# KiCad board SA44.kicad_pcb
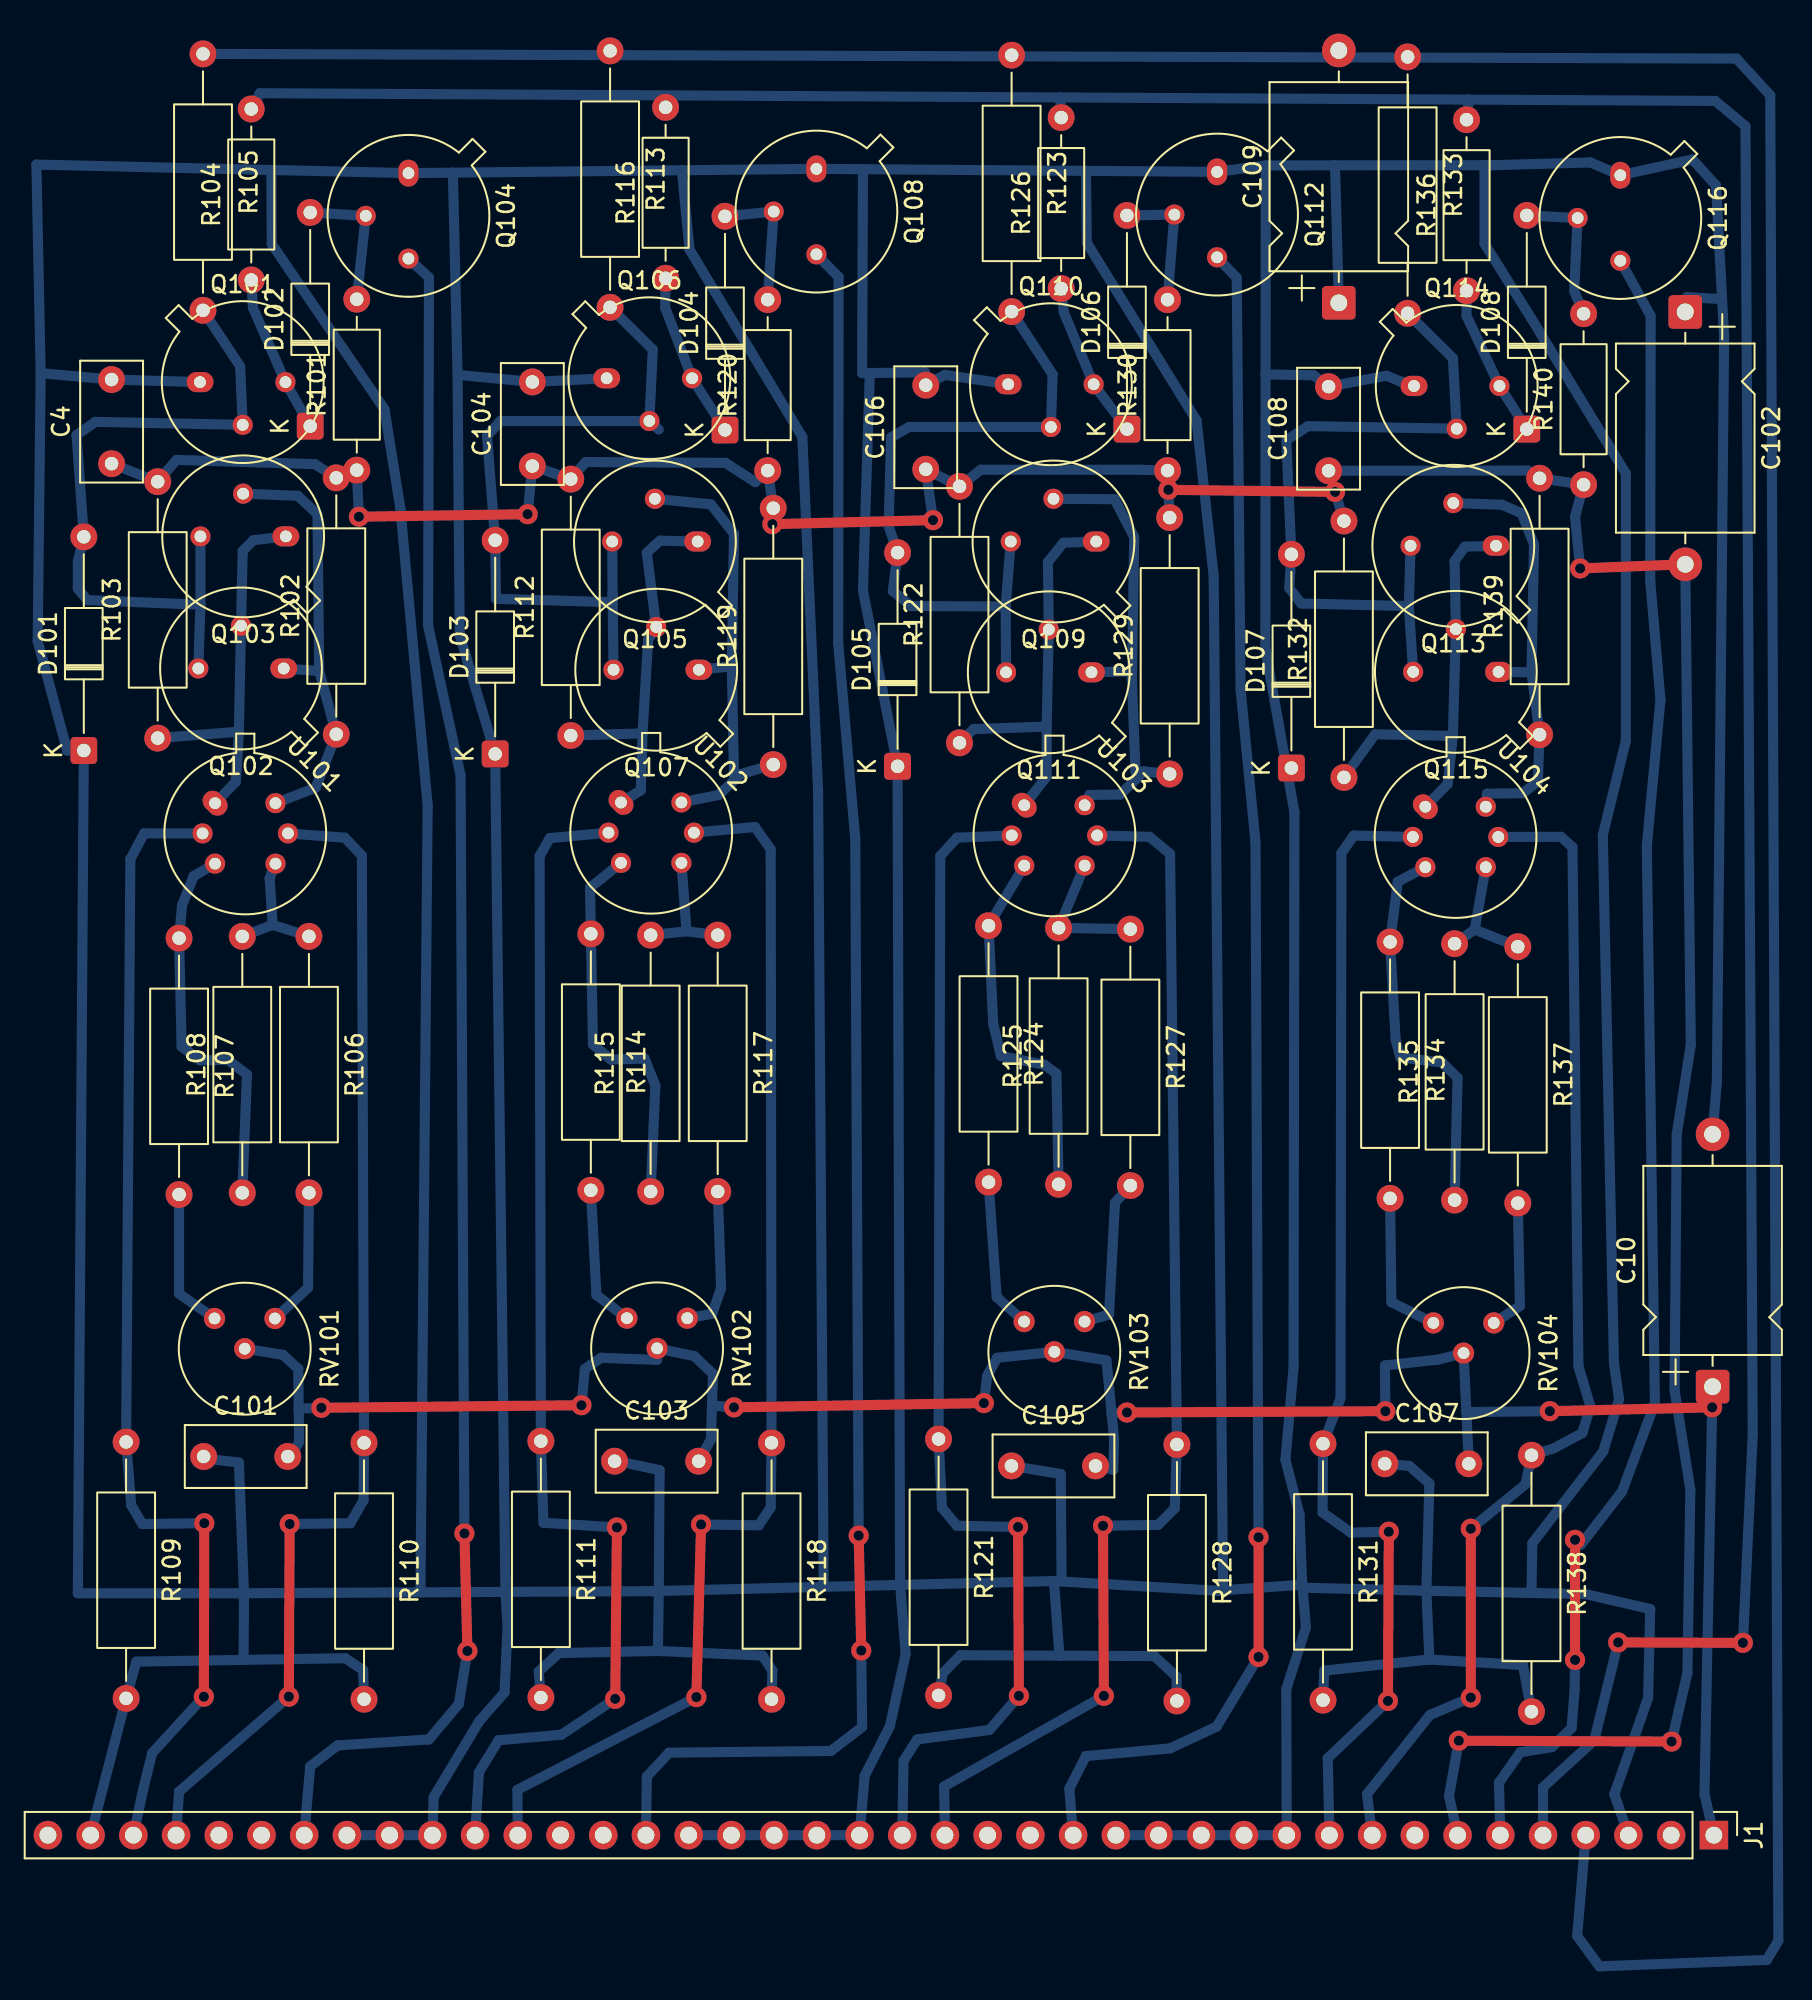
[diagram p0: board, top side]
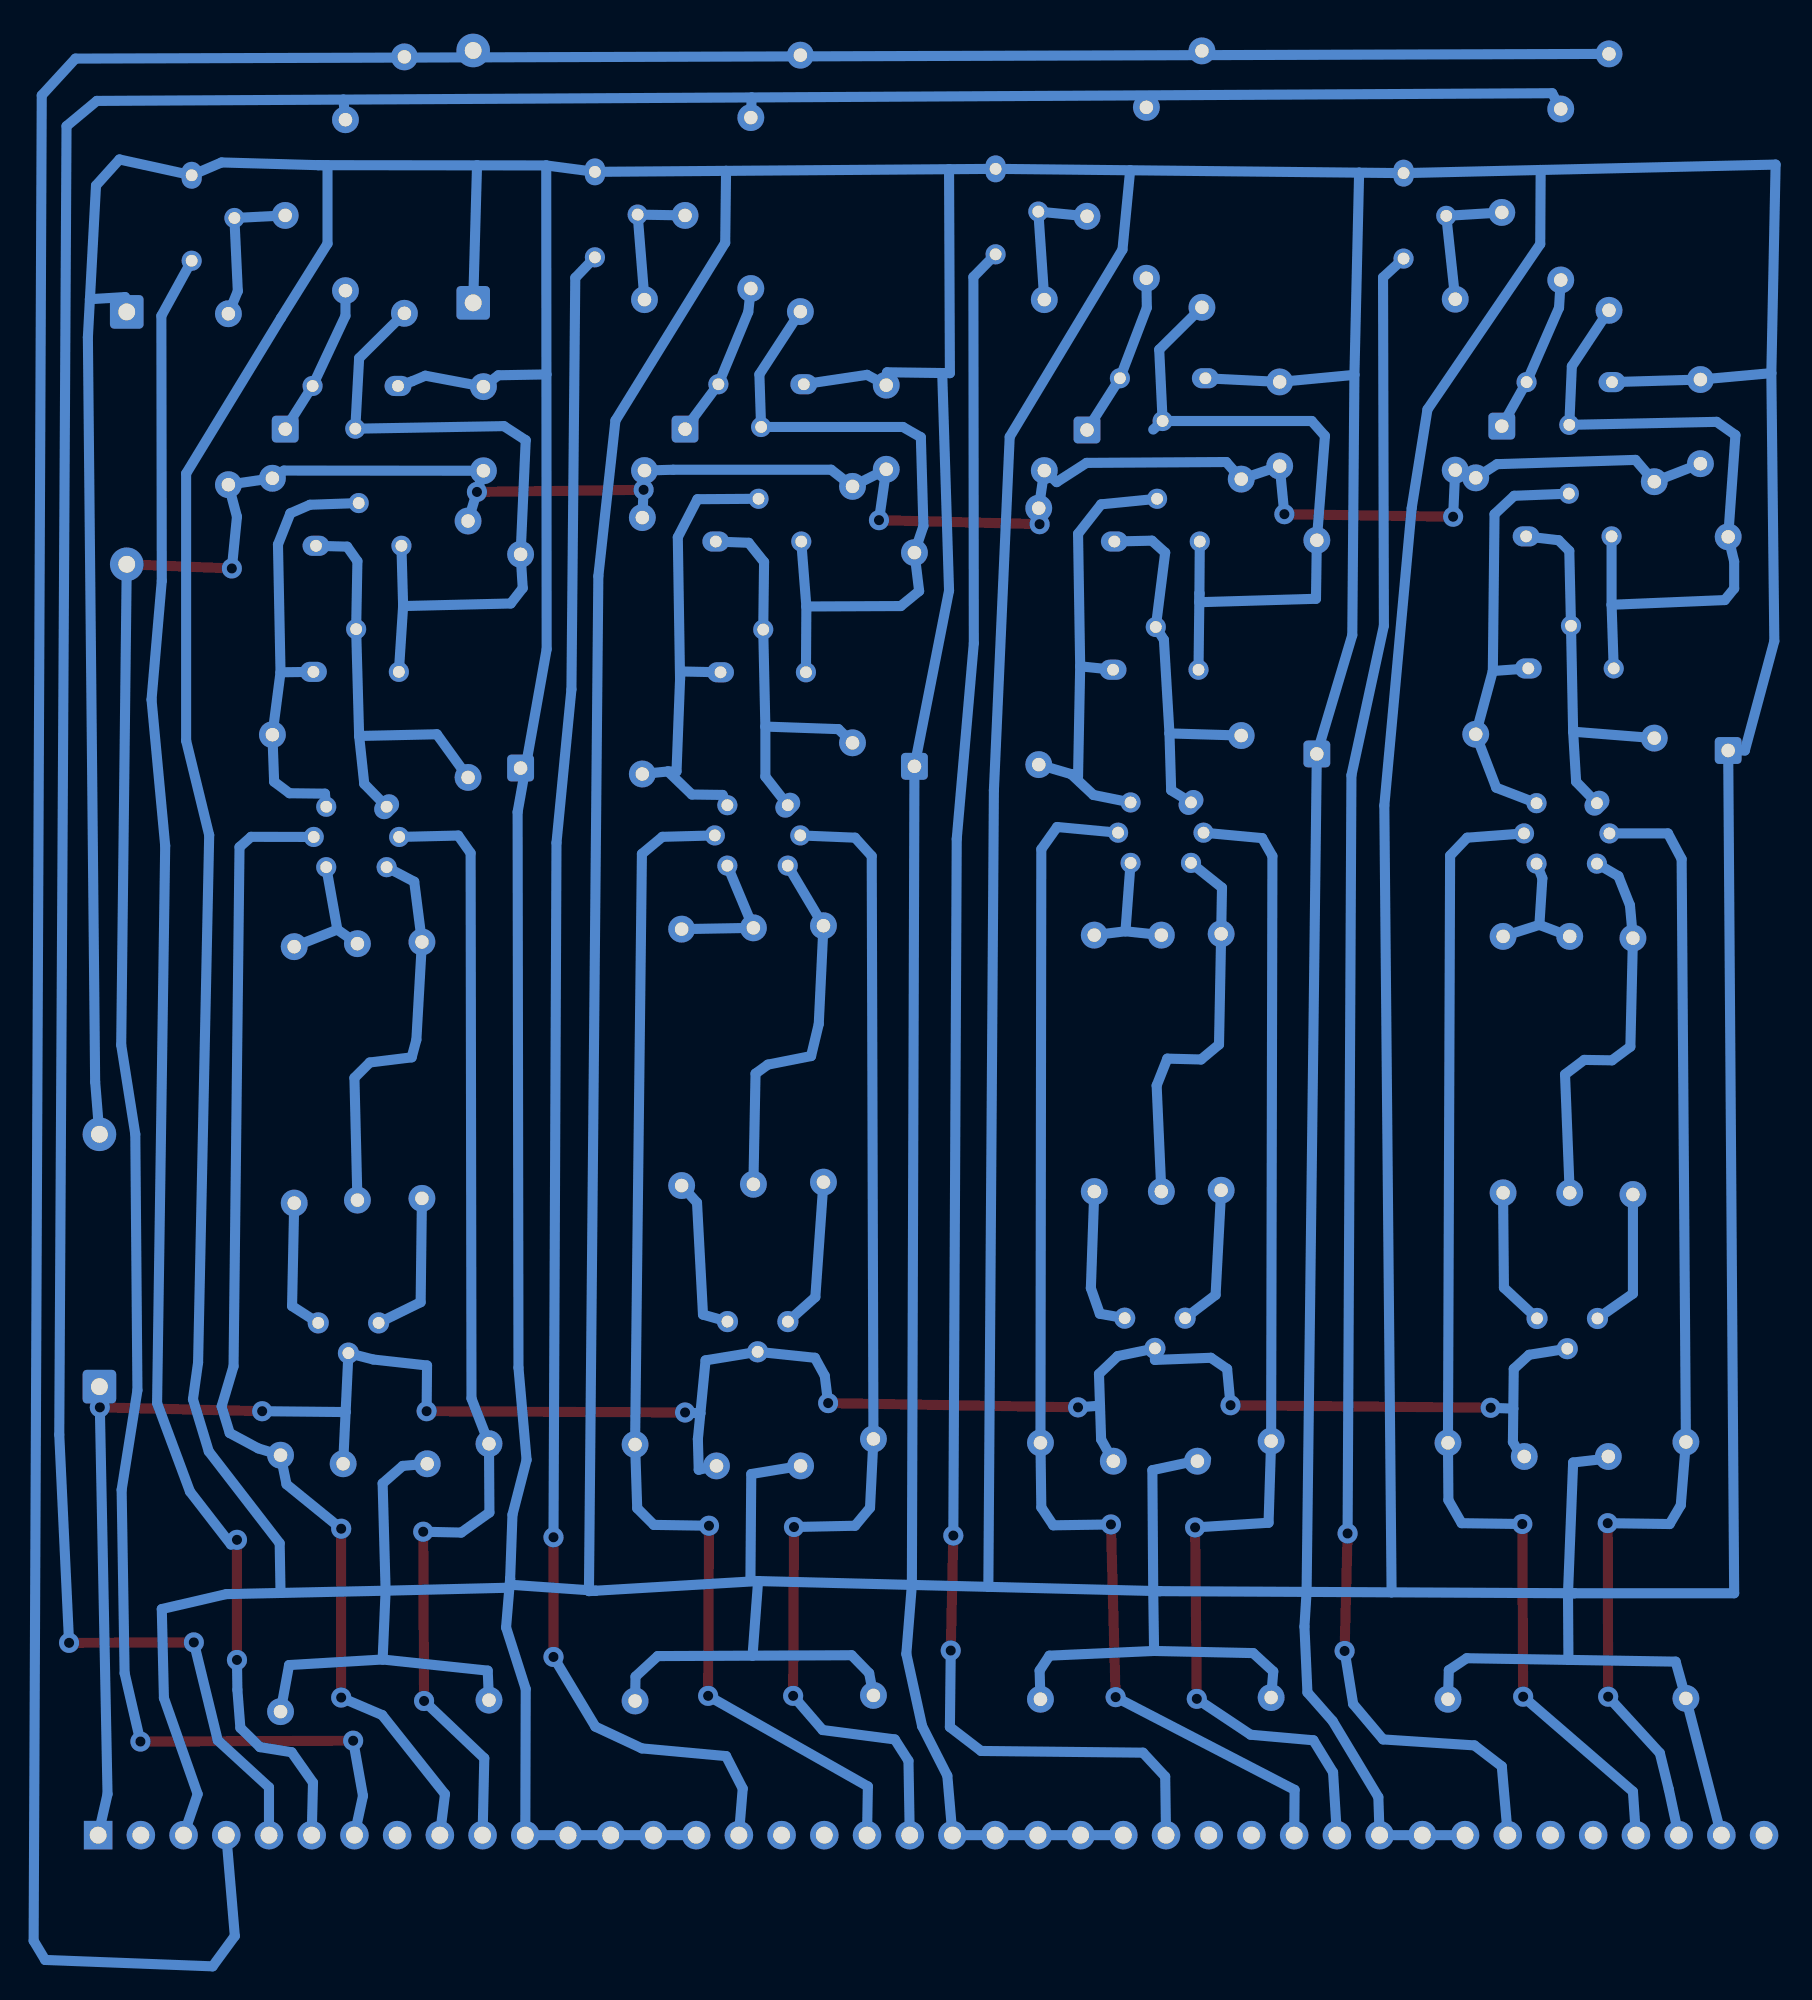
[diagram p1: board, bottom side, seen from below]

No outline. copper layers: Top, Bottom. Coordinates in mm from the lowest, leftmost part position.

## Placement (name value [footprint] x y rotation side)
C4  ?  [C_Rect_L7.0mm_W3.5mm_P5.00mm]  1.65 81.51 90 top
C10  10uF  [CP_Axial_L11.0mm_D8.0mm_P15.00mm_Horizontal]  96.85 26.66 90 top
C101  ?  [C_Rect_L7.0mm_W3.5mm_P5.00mm]  7.13 22.5 0 top
C102  10uF  [CP_Axial_L11.0mm_D8.0mm_P15.00mm_Horizontal]  95.22 90.53 270 top
C103  ?  [C_Rect_L7.0mm_W3.5mm_P5.00mm]  31.56 22.22 0 top
C104  ?  [C_Rect_L7.0mm_W3.5mm_P5.00mm]  26.67 81.37 90 top
C105  ?  [C_Rect_L7.0mm_W3.5mm_P5.00mm]  55.16 21.95 0 top
C106  ?  [C_Rect_L7.0mm_W3.5mm_P5.00mm]  50.06 81.18 90 top
C107  ?  [C_Rect_L7.0mm_W3.5mm_P5.00mm]  77.36 22.07 0 top
C108  ?  [C_Rect_L7.0mm_W3.5mm_P5.00mm]  74.02 81.09 90 top
C109  10uF  [CP_Axial_L11.0mm_D8.0mm_P15.00mm_Horizontal]  74.63 91.07 90 top
D101  ?  [D_DO-35_SOD27_P12.70mm_Horizontal]  0 64.47 90 top
D102  S1005  [D_DO-35_SOD27_P12.70mm_Horizontal]  13.46 83.74 90 top
D103  ?  [D_DO-35_SOD27_P12.70mm_Horizontal]  24.46 64.26 90 top
D104  S1005  [D_DO-35_SOD27_P12.70mm_Horizontal]  38.13 83.52 90 top
D105  ?  [D_DO-35_SOD27_P12.70mm_Horizontal]  48.39 63.53 90 top
D106  S1005  [D_DO-35_SOD27_P12.70mm_Horizontal]  62.03 83.57 90 top
D107  ?  [D_DO-35_SOD27_P12.70mm_Horizontal]  71.81 63.42 90 top
D108  S1005  [D_DO-35_SOD27_P12.70mm_Horizontal]  85.8 83.57 90 top
J1  Conn_01x40  [PinHeader_1x40_P2.54mm_Vertical]  96.93 0 270 top
Q101  ?  [TO-39-3]  6.91 86.36 0 top
Q102  ?  [TO-39-3]  11.89 69.34 180 top
Q103  ?  [TO-39-3]  12.01 77.19 180 top
Q104  ?  [TO-39-3]  19.3 98.78 270 top
Q105  ?  [TO-39-3]  36.5 76.89 180 top
Q106  ?  [TO-39-3]  31.09 86.59 0 top
Q107  ?  [TO-39-3]  36.58 69.27 180 top
Q108  ?  [TO-39-3]  43.56 99.03 270 top
Q109  ?  [TO-39-3]  60.2 76.89 180 top
Q110  ?  [TO-39-3]  54.97 86.23 0 top
Q111  ?  [TO-39-3]  59.92 69.11 180 top
Q112  ?  [TO-39-3]  67.39 98.86 270 top
Q113  ?  [TO-39-3]  83.97 76.63 180 top
Q114  ?  [TO-39-3]  79.1 86.13 0 top
Q115  ?  [TO-39-3]  84.12 69.14 180 top
Q116  ?  [TO-39-3]  91.36 98.65 270 top
R101  10K  [R_Axial_DIN0207_L6.3mm_D2.5mm_P10.16mm_Horizontal]  16.23 81.13 90 top
R102  681R  [R_Axial_DIN0309_L9.0mm_D3.2mm_P15.24mm_Horizontal]  15.01 65.43 90 top
R103  681R  [R_Axial_DIN0309_L9.0mm_D3.2mm_P15.24mm_Horizontal]  4.39 65.2 90 top
R104  3K  [R_Axial_DIN0207_L6.3mm_D2.5mm_P10.16mm_Horizontal]  9.96 92.43 90 top
R105  6.81K  [R_Axial_DIN0309_L9.0mm_D3.2mm_P15.24mm_Horizontal]  7.09 105.87 270 top
R106  2.1K  [R_Axial_DIN0309_L9.0mm_D3.2mm_P15.24mm_Horizontal]  13.39 53.42 270 top
R107  2.1K  [R_Axial_DIN0309_L9.0mm_D3.2mm_P15.24mm_Horizontal]  5.66 53.31 270 top
R108  33.2R  [R_Axial_DIN0309_L9.0mm_D3.2mm_P15.24mm_Horizontal]  9.42 38.18 90 top
R109  100R  [R_Axial_DIN0309_L9.0mm_D3.2mm_P15.24mm_Horizontal]  2.51 23.37 270 top
R110  100R  [R_Axial_DIN0309_L9.0mm_D3.2mm_P15.24mm_Horizontal]  16.66 23.32 270 top
R111  100R  [R_Axial_DIN0309_L9.0mm_D3.2mm_P15.24mm_Horizontal]  27.18 23.42 270 top
R112  681R  [R_Axial_DIN0309_L9.0mm_D3.2mm_P15.24mm_Horizontal]  28.96 65.35 90 top
R113  6.81K  [R_Axial_DIN0309_L9.0mm_D3.2mm_P15.24mm_Horizontal]  31.29 106.05 270 top
R114  2.1K  [R_Axial_DIN0309_L9.0mm_D3.2mm_P15.24mm_Horizontal]  30.15 53.57 270 top
R115  33.2R  [R_Axial_DIN0309_L9.0mm_D3.2mm_P15.24mm_Horizontal]  33.71 38.25 90 top
R116  3K  [R_Axial_DIN0207_L6.3mm_D2.5mm_P10.16mm_Horizontal]  34.59 92.53 90 top
R117  2.1K  [R_Axial_DIN0309_L9.0mm_D3.2mm_P15.24mm_Horizontal]  37.69 53.49 270 top
R118  100R  [R_Axial_DIN0309_L9.0mm_D3.2mm_P15.24mm_Horizontal]  40.89 23.32 270 top
R119  681R  [R_Axial_DIN0309_L9.0mm_D3.2mm_P15.24mm_Horizontal]  41 63.63 90 top
R120  10K  [R_Axial_DIN0207_L6.3mm_D2.5mm_P10.16mm_Horizontal]  40.67 81.1 90 top
R121  100R  [R_Axial_DIN0309_L9.0mm_D3.2mm_P15.24mm_Horizontal]  50.83 23.55 270 top
R122  681R  [R_Axial_DIN0309_L9.0mm_D3.2mm_P15.24mm_Horizontal]  52.07 64.92 90 top
R123  6.81K  [R_Axial_DIN0309_L9.0mm_D3.2mm_P15.24mm_Horizontal]  55.17 105.79 270 top
R124  2.1K  [R_Axial_DIN0309_L9.0mm_D3.2mm_P15.24mm_Horizontal]  53.8 54.05 270 top
R125  33.2R  [R_Axial_DIN0309_L9.0mm_D3.2mm_P15.24mm_Horizontal]  57.96 38.68 90 top
R126  3K  [R_Axial_DIN0207_L6.3mm_D2.5mm_P10.16mm_Horizontal]  58.12 91.92 90 top
R127  2.1K  [R_Axial_DIN0309_L9.0mm_D3.2mm_P15.24mm_Horizontal]  62.23 53.85 270 top
R128  100R  [R_Axial_DIN0309_L9.0mm_D3.2mm_P15.24mm_Horizontal]  65 23.22 270 top
R129  681R  [R_Axial_DIN0309_L9.0mm_D3.2mm_P15.24mm_Horizontal]  64.57 63.07 90 top
R130  10K  [R_Axial_DIN0207_L6.3mm_D2.5mm_P10.16mm_Horizontal]  64.44 81.1 90 top
R131  100R  [R_Axial_DIN0309_L9.0mm_D3.2mm_P15.24mm_Horizontal]  73.69 23.27 270 top
R132  681R  [R_Axial_DIN0309_L9.0mm_D3.2mm_P15.24mm_Horizontal]  74.93 62.86 90 top
R133  6.81K  [R_Axial_DIN0309_L9.0mm_D3.2mm_P15.24mm_Horizontal]  78.71 105.69 270 top
R134  2.1K  [R_Axial_DIN0309_L9.0mm_D3.2mm_P15.24mm_Horizontal]  77.67 53.09 270 top
R135  33.2R  [R_Axial_DIN0309_L9.0mm_D3.2mm_P15.24mm_Horizontal]  81.51 37.74 90 top
R136  3K  [R_Axial_DIN0207_L6.3mm_D2.5mm_P10.16mm_Horizontal]  82.22 91.8 90 top
R137  2.1K  [R_Axial_DIN0309_L9.0mm_D3.2mm_P15.24mm_Horizontal]  85.27 52.81 270 top
R138  100R  [R_Axial_DIN0309_L9.0mm_D3.2mm_P15.24mm_Horizontal]  86.08 22.58 270 top
R139  681R  [R_Axial_DIN0309_L9.0mm_D3.2mm_P15.24mm_Horizontal]  86.56 65.41 90 top
R140  10K  [R_Axial_DIN0207_L6.3mm_D2.5mm_P10.16mm_Horizontal]  89.18 80.26 90 top
RV101  500R  [Potentiometer_Bourns_3339H_Vertical]  7.77 30.71 270 top
RV102  500R  [Potentiometer_Bourns_3339H_Vertical]  32.29 30.73 270 top
RV103  500R  [Potentiometer_Bourns_3339H_Vertical]  55.91 30.52 270 top
RV104  500R  [Potentiometer_Bourns_3339H_Vertical]  80.25 30.45 270 top
U101  ~  [TO-39-6]  7.81 61.33 315 top
U102  ~  [TO-39-6]  31.94 61.38 315 top
U103  ~  [TO-39-6]  55.92 61.21 315 top
U104  ~  [TO-39-6]  79.77 61.12 315 top

## Library data of the parts
C4 C101 C103-C108 = -: Description: Unpolarized capacitor; ki_fp_filters: C_*
C10 C102 C109 = -: Description: Polarized capacitor; ki_fp_filters: CP_*
D101-D108 = -: Datasheet: https://assets.nexperia.com/documents/data-sheet/1N4148_1N4448.pdf; Description: 100V 0.15A High-speed standard diode, DO-35; Sim.Device: D; Sim.Pins: 1=K 2=A; ki_fp_filters: D*DO?35*
J1 = -: Description: Generic connector, single row, 01x40, script generated (kicad-library-utils/schlib/autogen/connector/); ki_fp_filters: Connector*:*_1x??_*
Q101-Q116 = -: Description: PNP transistor, emitter/base/collector
R101-R140 = -: Description: Resistor; ki_fp_filters: R_*
RV101-RV104 = -: Description: Potentiometer, US symbol; ki_fp_filters: Potentiometer*

## Footprints (pads in the part's own frame, mm; a bottom-side part is the same pattern mirrored in y, then rotated)
C_Rect_L7.0mm_W3.5mm_P5.00mm
  round 1.6 hole 0.8: 1(0,0) 2(5,0)
CP_Axial_L11.0mm_D8.0mm_P15.00mm_Horizontal
  rrect 2x2 hole 1: 1(0,0)
  round 2 hole 1: 2(15,0)
D_DO-35_SOD27_P12.70mm_Horizontal
  rrect 1.6x1.6 hole 0.8: 1(0,0)
  round 1.6 hole 0.8: 2(12.7,0)
PinHeader_1x40_P2.54mm_Vertical
  rect 1.7x1.7 hole 1: 1(0,0)
  round 1.7 hole 1: 2(0,-2.54) 3(0,-5.08) 4(0,-7.62) 5(0,-10.16) 6(0,-12.7) 7(0,-15.24) 8(0,-17.78) 9(0,-20.32) 10(0,-22.86) 11(0,-25.4) 12(0,-27.94) 13(0,-30.48) 14(0,-33.02) 15(0,-35.56) 16(0,-38.1) 17(0,-40.64) 18(0,-43.18) 19(0,-45.72) 20(0,-48.26) 21(0,-50.8) 22(0,-53.34) 23(0,-55.88) 24(0,-58.42) 25(0,-60.96) 26(0,-63.5) 27(0,-66.04) 28(0,-68.58) 29(0,-71.12) 30(0,-73.66) 31(0,-76.2) 32(0,-78.74) 33(0,-81.28) 34(0,-83.82) 35(0,-86.36) 36(0,-88.9) 37(0,-91.44) 38(0,-93.98) 39(0,-96.52) 40(0,-99.06)
Potentiometer_Bourns_3339H_Vertical
  round 1.26 hole 0.7: 1(0,0) 2(1.796,1.796) 3(0,3.592)
R_Axial_DIN0207_L6.3mm_D2.5mm_P10.16mm_Horizontal
  round 1.6 hole 0.8: 1(0,0) 2(10.16,0)
R_Axial_DIN0309_L9.0mm_D3.2mm_P15.24mm_Horizontal
  round 1.6 hole 0.8: 1(0,0) 2(15.24,0)
TO-39-3
  oval 1.6x1.2 hole 0.7: 1(0,0)
  round 1.2 hole 0.7: 2(2.54,-2.54) 3(5.08,0)
TO-39-6
  oval 1.6x1.2 hole 0.7: 1(0,0)
  round 1.2 hole 0.7: 2(0.744,-1.796) 3(2.54,-2.54) 4(5.08,0) 5(4.336,1.796) 6(2.54,2.54)

## Nets
GND: C4.2 C10.2 C101.1 C102.1 C103.1 C104.2 C105.1 C106.2 C107.1 C108.2 C109.1 D101.1 D103.1 D105.1 D107.1 J1.3 J1.11 J1.12 J1.13 J1.14 J1.15 J1.21 J1.22 J1.23 J1.24 J1.25 J1.31 J1.32 J1.33 J1.39 Q101.1 Q104.1 Q106.1 Q108.1 Q110.1 Q112.1 Q114.1 Q116.1 R109.2 R110.2 R111.2 R118.2 R121.2 R128.2 R131.2 R138.2
P1: C10.1 C101.2 C103.2 C105.2 C107.2 J1.1 RV101.2 RV102.2 RV103.2 RV104.2
P4: C109.2 J1.4 R105.1 R113.1 R123.1 R133.1
P5: J1.5 R104.2 R116.2 R126.2 R136.2
P6: J1.6 Q116.3
P7: C4.1 C102.2 C104.1 C106.1 C108.1 J1.7 R101.1 R102.2 R103.2 R112.2 R119.2 R120.1 R122.2 R129.2 R130.1 R132.2 R139.2 R140.1
P9: J1.9 R138.1 U104.5
P10: J1.10 R131.1 U104.2
P16: J1.16 Q112.3
P19: J1.19 R128.1 U103.5
P20: J1.20 R121.1 U103.2
P26: J1.26 Q108.3
P29: J1.29 R118.1 U102.5
P30: J1.30 R111.1 U102.2
P34: J1.34 Q104.3
P37: J1.37 R110.1 U101.5
P38: J1.38 R109.1 U101.2
Net-(D101-A): D101.2 Q101.2 Q102.3 Q103.3 R105.2
Net-(D102-A): D102.2 Q104.2 R101.2
Net-(D102-K): D102.1 Q101.3 R104.1
Net-(D103-A): D103.2 Q105.3 Q106.2 Q107.3 R113.2
Net-(D104-A): D104.2 Q108.2 R120.2
Net-(D104-K): D104.1 Q106.3 R116.1
Net-(D105-A): D105.2 Q109.3 Q110.2 Q111.3 R123.2
Net-(D106-A): D106.2 Q112.2 R130.2
Net-(D106-K): D106.1 Q110.3 R126.1
Net-(D107-A): D107.2 Q113.3 Q114.2 Q115.3 R133.2
Net-(D108-A): D108.2 Q116.2 R140.2
Net-(D108-K): D108.1 Q114.3 R136.1
Net-(Q102-B): Q102.2 Q103.1 R103.1 U101.1
Net-(Q102-E): Q102.1 Q103.2 R102.1 U101.6
Net-(Q105-B): Q105.2 Q107.1 R119.1 U102.6
Net-(Q105-E): Q105.1 Q107.2 R112.1 U102.1
Net-(Q109-B): Q109.2 Q111.1 R129.1 U103.6
Net-(Q109-E): Q109.1 Q111.2 R122.1 U103.1
Net-(Q113-B): Q113.2 Q115.1 R139.1 U104.6
Net-(Q113-E): Q113.1 Q115.2 R132.1 U104.1
Net-(R106-Pad1): R106.1 R108.2 U101.4
Net-(R106-Pad2): R106.2 RV101.3
Net-(R107-Pad1): R107.1 R108.1 U101.3
Net-(R107-Pad2): R107.2 RV101.1
Net-(R114-Pad1): R114.1 R115.1 U102.3
Net-(R114-Pad2): R114.2 RV102.1
Net-(R115-Pad2): R115.2 R117.1 U102.4
Net-(R117-Pad2): R117.2 RV102.3
Net-(R124-Pad1): R124.1 R125.1 U103.3
Net-(R124-Pad2): R124.2 RV103.1
Net-(R125-Pad2): R125.2 R127.1 U103.4
Net-(R127-Pad2): R127.2 RV103.3
Net-(R134-Pad1): R134.1 R135.1 U104.3
Net-(R134-Pad2): R134.2 RV104.1
Net-(R135-Pad2): R135.2 R137.1 U104.4
Net-(R137-Pad2): R137.2 RV104.3

Pads without a net: J1 2 8 17 18 27 28 35 36 40

## Via types
v1: diameter 1.2, hole 0.6, Top to Bottom, 43 vias

## Routing (per net, layer and track width the routed paths; a pad name or vN(x,y) marks a point on that pad's centre or on a via; arc(x,y) is an arc through that point)
GND: length 1208.6
  Bottom w0.6: 70.28,99.24 74.4,99.24 ; 70.28,99.24 Q112.1 59.59,98.91 ; 70.28,99.24 70.27,86.82 ; 74.4,99.24 C109.1 ; 74.4,99.24 83.85,99.25 ; R110.2 16.61,9.8 15.54,10.52 9.5,10.42 ; 72.47,14.71 72.67,12.34 71.5,8.69 J1.11 J1.15 ; 72.47,14.71 72.43,15.24 ; 72.47,14.71 79.83,14.53 ; 86.08,14.39 89.31,14.33 93.14,13.44 93.01,8.15 91.01,2.44 J1.3 ; 86.08,14.39 79.83,14.53 ; 86.08,14.39 86.13,17.35 90.35,22.81 91.29,25.91 90.98,28.09 90.32,59.44 91.69,65.05 91.69,80.92 86.06,90.17 83.29,94.59 83.29,99.24 83.85,99.25 ; C102.1 95.33,91.41 97.42,91.29 ; 33.78,14.5 34.19,14.5 ; 33.78,14.5 43.99,14.76 ; 33.78,14.5 25.07,14.46 ; 34.19,14.5 34.24,21.69 31.04,22.38 ; 34.19,14.5 34.14,10.95 ; 9.52,14.38 9.22,22.15 7.23,22.38 ; 9.52,14.38 9.14,14.38 ; 9.52,14.38 9.5,10.42 ; 57.68,15.1 58.01,10.67 ; 57.68,15.1 48.54,14.87 ; 57.68,15.1 67.34,14.53 ; 57.68,15.1 58.14,15.11 58.09,21.46 C105.1 ; 58.01,10.67 63.65,10.64 64.97,9.42 R128.2 ; 58.01,10.67 52.12,10.69 51.08,9.63 R121.2 ; 43.99,14.76 43.66,62.1 42.72,83.11 36.02,94.23 35.56,98.95 ; 43.99,14.76 48.54,14.87 ; 59.59,98.91 46.33,99.01 ; 59.59,98.91 59.64,94.64 66.17,84.07 67.18,74.83 67.74,14.5 67.34,14.53 ; R118.2 40.94,9.78 40.36,10.67 34.14,10.95 ; 48.54,14.87 48.87,10.77 47.93,6.48 46.43,3.53 J1.21 J1.25 ; 48.54,14.87 D105.1 46.33,73.96 46.74,86.9 ; C10.2 97.1,44.78 97.54,89.03 97.42,91.29 ; 11.15,98.97 Q104.1 21.95,98.81 ; 11.15,98.97 -2.82,99.29 -2.57,86.89 ; 11.15,98.97 11.18,94.56 17.88,84.73 18.82,78.87 20.45,61.19 20.02,14.43 ; -2.57,86.89 C4.2 Q101.1 ; -2.57,86.89 -2.74,70.97 -0.99,64.47 D101.1 -0.36,14.38 9.14,14.38 ; 46.33,99.01 Q108.1 35.56,98.95 ; 46.33,99.01 46.28,86.89 46.74,86.9 ; 22.23,86.79 21.95,98.81 ; 22.23,86.79 C104.2 Q106.1 ; 22.23,86.79 22.35,71.32 D103.1 25.07,14.46 ; 21.95,98.81 35.56,98.95 ; 20.02,14.43 25.07,14.46 ; 20.02,14.43 9.14,14.38 ; 25.07,14.46 25.2,12.4 25.02,8.48 23.52,6.78 20.8,2.26 J1.31 J1.32 J1.33 ; 46.74,86.9 50.01,86.94 C106.2 51.21,86.79 Q110.1 ; R111.2 27.05,9.73 28.24,10.82 34.14,10.95 ; 79.83,14.53 80.01,20.9 78.82,21.95 C107.1 ; 79.83,14.53 80.01,10.44 ; 80.01,10.44 85.57,10.11 R138.2 ; 80.01,10.44 73.76,9.78 R131.2 ; 9.5,10.42 3.12,10.31 R109.2 J1.39 ; 72.43,15.24 72.29,19.05 71.45,22.3 71.93,27.79 71.98,60.81 70.26,70.48 70.27,86.82 ; 72.43,15.24 72.44,14.88 67.34,14.53 ; 70.27,86.82 73.13,86.77 C108.2 77.47,86.74 78.26,86.41 Q114.1 ; 83.85,99.25 89.59,99.42 Q116.1 95.66,99.59 97.05,98.04 97.42,91.29
P1: length 147.2
  Top w0.6: v1(38.66,25.43) v1(53.52,25.68) ; v1(62.03,25.12) v1(77.39,25.2) ; v1(87.17,25.2) v1(96.82,25.43) ; v1(14.12,25.4) v1(29.59,25.55)
  Bottom w0.6: 37.35,25.53 v1(38.66,25.43) ; 37.35,25.53 37.29,23.52 C103.2 ; 37.35,25.53 37.41,27.41 36.3,28.47 RV102.2 34.09,28.24 30.76,28.37 29.79,27.71 v1(29.59,25.55) ; v1(77.39,25.2) 77.37,27.91 80.57,28.27 RV104.2 82.21,25.15 ; 12.78,25.35 v1(14.12,25.4) ; 12.78,25.35 12.8,23.37 12.23,22.38 ; 12.78,25.35 12.75,27.71 11.84,28.55 RV101.2 ; 82.21,25.15 C107.2 ; 82.21,25.15 v1(87.17,25.2) ; C10.1 v1(96.82,25.43) 96.37,2.44 J1.1 ; v1(53.52,25.68) 53.72,27.3 54.31,28.37 RV103.2 60.81,28.22 61.12,25.07 ; 61.12,25.07 v1(62.03,25.12) ; 61.12,25.07 61.26,23.55 61.21,21.72 C105.2
P4: length 223.9
  Bottom w0.6: C109.2 74.93,105.66 ; 74.93,105.66 R105.1 ; 74.93,105.66 98.27,105.59 100.28,103.4 100.76,-6.27 100.08,-7.42 90.12,-7.8 88.8,-5.99 J1.4
P5: length 202.9
  Top w0.6: v1(98.65,11.43) v1(91.24,11.46)
  Bottom w0.6: v1(98.65,11.43) 99.24,23.8 98.81,101.57 97,103.07 82.35,103.15 ; v1(91.24,11.46) 89.81,5.64 86.77,2.84 J1.5 ; 82.35,103.15 58.06,103.28 ; 82.35,103.15 R136.2 ; 58.06,103.28 10.46,103.53 R104.2 ; 58.06,103.28 R126.2
P6: length 98.5
  Top w0.6: v1(88.67,17.55) v1(88.67,10.41)
  Bottom w0.6: Q116.3 93.17,90.3 93.14,74.55 93.75,67.49 92.94,58.8 93.42,25.68 91.47,20.42 89.03,17.27 v1(88.67,17.55) ; J1.6 84.15,3.12 85.42,4.93 87.3,5.23 88.47,6.38 88.65,8.64 v1(88.67,10.41)
P7: length 208.4
  Top w0.6: v1(88.98,75.29) C102.2 ; v1(40.94,77.92) v1(50.5,78.16) ; v1(16.36,78.36) v1(26.39,78.51) ; v1(94.41,5.56) v1(81.76,5.61) ; v1(64.49,79.96) v1(74.4,79.83)
  Bottom w0.6: C4.1 R103.2 5.51,81.74 13.74,81.48 R102.2 R101.1 v1(16.36,78.36) ; C102.2 95.55,46.96 94.72,41.66 94.59,26.44 95.53,20.52 95.35,9.63 v1(94.41,5.56) ; v1(88.98,75.29) 88.67,78.36 R140.1 R139.2 85.88,81.1 C108.1 v1(74.4,79.83) R132.2 ; v1(81.76,5.61) 81.18,2.34 J1.7 ; R129.2 R130.1 62.74,81.15 53.34,81.15 R122.2 C106.1 v1(50.5,78.16) ; v1(40.94,77.92) 40.94,77.95 R119.2 R120.1 39.93,80.42 38.15,81.56 29.84,81.61 R112.2 C104.1 v1(26.39,78.51)
P9: length 70.1
  Top w0.6: v1(82.47,8.18) v1(82.47,18.21)
  Bottom w0.6: J1.9 76.3,2.44 80.04,7.14 v1(82.47,8.18) ; U104.5 87.83,59.33 88.52,58.72 88.87,27.86 89.59,25.48 89.1,23.9 87.4,22.99 R138.1 85.72,20.85 v1(82.47,18.21)
P10: length 68.1
  Top w0.6: v1(77.6,18.03) v1(77.55,7.98)
  Bottom w0.6: U104.2 75.51,59.41 74.78,58.37 74.73,25.96 R131.1 73.66,19.18 75.34,17.98 v1(77.6,18.03) ; v1(77.55,7.98) 73.96,4.57 J1.10
P16: length 101.6
  Top w0.6: v1(69.85,17.7) v1(69.85,10.59)
  Bottom w0.6: v1(69.85,17.7) 69.67,58.98 68.78,68.1 68.55,92.56 Q112.3 ; v1(69.85,10.59) 67.36,6.45 64.59,5.16 59.59,4.7 58.6,2.77 J1.16
P19: length 72.2
  Top w0.6: v1(60.66,8.28) v1(60.6,18.39)
  Bottom w0.6: U103.5 63.37,59.33 64.59,58.32 R128.1 64.87,19.43 63.88,18.44 v1(60.6,18.39) ; v1(60.66,8.28) 51.16,2.9 J1.19
P20: length 71.6
  Top w0.6: v1(55.55,18.31) v1(55.6,8.28)
  Bottom w0.6: U103.2 51.92,59.28 50.93,58.19 R121.1 51.03,19.46 51.92,18.39 v1(55.55,18.31) 55.6,18.21 ; J1.20 48.74,4.42 49.56,5.69 53.85,6.25 v1(55.6,8.28)
P26: length 105.5
  Top w0.6: v1(46.23,10.97) v1(46.08,17.81)
  Bottom w0.6: v1(46.23,10.97) 46.28,6.43 44.42,5 34.8,4.9 33.48,3.48 J1.26 ; v1(46.08,17.81) 45.87,59.21 44.86,70.84 44.88,92.61 Q108.3
P29: length 74
  Top w0.6: v1(36.42,8.2) v1(36.7,18.47)
  Bottom w0.6: v1(36.42,8.2) 25.78,2.69 J1.29 ; v1(36.7,18.47) 40.13,18.41 40.84,19.48 R118.1 40.84,58.6 39.9,59.92 U102.5
P30: length 72.5
  Top w0.6: v1(31.7,18.29) v1(31.6,8.1)
  Bottom w0.6: J1.30 23.49,3.73 24.66,5.64 28.4,5.97 v1(31.6,8.1) ; v1(31.7,18.29) 27.33,18.57 R111.1 27.1,58.19 27.71,59.26 U102.2
P34: length 101
  Top w0.6: v1(22.63,17.93) v1(22.81,10.95)
  Bottom w0.6: J1.34 13.46,4.09 15.09,5.33 20.52,5.69 22.3,7.8 v1(22.81,10.95) ; Q104.3 20.52,92.58 20.47,71.88 22.4,62.99 v1(22.63,17.93)
P37: length 69.8
  Top w0.6: v1(12.24,18.49) v1(12.19,8.23)
  Bottom w0.6: J1.37 5.66,2.59 v1(12.19,8.23) ; U101.5 15.52,59.28 16.54,58.22 R110.1 16.64,19.91 15.85,18.54 v1(12.24,18.49)
P38: length 68.5
  Top w0.6: v1(7.14,8.23) v1(7.16,18.54)
  Bottom w0.6: J1.38 3.53,2.72 4.06,4.88 v1(7.14,8.23) ; U101.2 3.58,59.54 2.77,58.01 R109.1 2.82,19.61 3.48,18.49 v1(7.16,18.54)
Net-(D101-A): length 42.3
  Bottom w0.6: R105.2 9.3,87.3 Q101.2 0.69,84 -0.43,83.21 D101.2 -0.36,75.69 -0.36,74.09 0.2,73.41 6.93,73.13 ; 6.93,73.13 Q103.3 ; 6.93,73.13 Q102.3
Net-(D102-A): length 8.3
  Bottom w0.6: D102.2 Q104.2 R101.2
Net-(D102-K): length 9.5
  Bottom w0.6: R104.1 10.06,90.78 Q101.3 D102.1
Net-(D103-A): length 43.4
  Bottom w0.6: 34.19,83.54 Q106.2 ; Q106.2 24.77,84.05 23.98,83.16 D103.2 24.51,73.48 31.45,73.28 31.44,73.81 ; Q106.2 33.83,88.29 R113.2 ; 31.44,73.81 Q107.3 ; 31.44,73.81 Q105.3
Net-(D104-A): length 8.2
  Bottom w0.6: R120.2 Q108.2 D104.2
Net-(D104-K): length 9.9
  Bottom w0.6: R116.1 34.57,90.78 Q106.3 D104.1
Net-(D105-A): length 41.3
  Bottom w0.6: 54.81,73.02 49.2,73.05 48.11,73.94 D105.2 47.85,77.8 48.01,83.08 49.07,83.69 Q110.2 57.61,86.82 R123.2 ; 54.81,73.02 Q111.3 ; 54.81,73.02 Q109.3
Net-(D106-A): length 7.9
  Bottom w0.6: R130.2 Q112.2 D106.2
Net-(D106-K): length 9.4
  Bottom w0.6: R126.1 58.27,90.53 Q110.3 D106.1
Net-(D107-A): length 42.2
  Bottom w0.6: Q115.3 78.79,73.05 ; 78.79,73.05 Q113.3 ; 78.79,73.05 72.39,73.2 71.68,74.12 D107.2 71.5,82.91 72.8,83.74 Q114.2 81.41,87.78 R133.2
Net-(D108-A): length 8.8
  Bottom w0.6: D108.2 Q116.2 88.62,91.77 R140.2
Net-(D108-K): length 9.1
  Bottom w0.6: R136.1 82.22,90.3 Q114.3 D108.1
Net-(Q102-B): length 23.2
  Bottom w0.6: U101.1 9.04,62.61 9.22,65.58 ; 9.22,65.58 Q102.2 9.45,76.33 10.08,76.96 Q103.1 ; 9.22,65.58 R103.1
Net-(Q102-E): length 26.2
  Bottom w0.6: 14,69.19 Q102.1 ; 14,69.19 13.89,78.51 12.73,79.6 Q103.2 ; 14,69.19 R102.1 13.79,62.26 U101.6
Net-(Q105-B): length 28.4
  Bottom w0.6: U102.6 37.74,61.82 39.07,63.06 ; 38.53,69.47 38.66,77.34 37.29,79.1 Q105.2 ; 38.53,69.47 38.66,62.94 39.07,63.06 ; 38.53,69.47 Q107.1 ; 39.07,63.06 R119.1
Net-(Q105-E): length 23.3
  Bottom w0.6: 33.22,65.48 33.12,62.1 U102.1 ; 33.22,65.48 R112.1 ; 33.22,65.48 33.55,71.04 Q107.2 33.48,76.23 34.26,76.94 Q105.1
Net-(Q109-B): length 29.5
  Bottom w0.6: 62.32,68.68 62.46,77.14 61.29,79.4 Q109.2 ; 62.32,68.68 62.31,69.16 Q111.1 ; 62.32,68.68 62.53,63.22 63.04,63.22 ; U103.6 59.79,61.82 61.62,61.85 63.04,63.22 ; 63.04,63.22 R129.1
Net-(Q109-E): length 23.8
  Bottom w0.6: 57.25,65.89 Q111.2 57.33,75.67 58.24,76.81 Q109.1 ; 57.25,65.89 57.25,62.92 U103.1 ; 57.25,65.89 52.91,65.74 R122.1
Net-(Q113-B): length 26.3
  Bottom w0.6: 86.08,69.11 86.23,76.71 85.5,78.56 84.33,79.07 Q113.2 ; 86.08,69.11 Q115.1 ; 86.08,69.11 R139.1 86.46,62.61 85.55,61.93 83.44,61.9 83.36,61.12
Net-(Q113-E): length 25.9
  Bottom w0.6: Q113.1 82.12,76.58 81.51,75.72 Q115.2 81.41,65.33 ; R132.1 76.78,65.43 81.41,65.33 ; 81.41,65.33 81.1,62.48 U104.1
Net-(R106-Pad1): length 7.9
  Bottom w0.6: 11.23,54.1 R106.1 ; 11.23,54.1 R108.2 ; 11.23,54.1 11.05,56.87 U101.4
Net-(R106-Pad2): length 8.3
  Bottom w0.6: R106.2 13.34,32.54 RV101.3
Net-(R107-Pad1): length 23.2
  Bottom w0.6: U101.3 6.53,57 5.84,55.27 R107.1 5.82,46.86 6.91,46.05 8.56,46.08 9.7,45.21 R108.1
Net-(R107-Pad2): length 8.5
  Bottom w0.6: RV101.1 5.66,32.18 R107.2
Net-(R114-Pad1): length 23.1
  Bottom w0.6: R115.1 33.99,44.55 33.35,46.15 31.34,46.1 30.28,46.99 R114.1 30.1,56.31 U102.3
Net-(R114-Pad2): length 8.5
  Bottom w0.6: RV102.1 30.48,32.11 R114.2
Net-(R115-Pad2): length 8.1
  Bottom w0.6: R117.1 35.84,53.72 ; 35.84,53.72 R115.2 ; 35.84,53.72 U102.4
Net-(R117-Pad2): length 8.9
  Bottom w0.6: R117.2 37.9,32.51 37.36,30.99 RV102.3
Net-(R124-Pad1): length 22.1
  Bottom w0.6: U103.3 R124.1 54.08,48.21 54.53,46.3 57.1,45.8 57.84,45.26 R125.1
Net-(R124-Pad2): length 9
  Bottom w0.6: RV103.1 54.28,31.98 R124.2
Net-(R125-Pad2): length 8.3
  Bottom w0.6: R127.1 R125.2 U103.4
Net-(R127-Pad2): length 9.5
  Bottom w0.6: RV103.3 60.96,30.94 61.32,37.59 R127.2
Net-(R134-Pad1): length 23.4
  Bottom w0.6: U104.3 78.13,56.67 R134.1 78,47.27 78.28,46.23 80.77,45.92 81.69,45.01 R135.1
Net-(R134-Pad2): length 9
  Bottom w0.6: R134.2 77.75,31.67 RV104.1
Net-(R135-Pad2): length 8
  Bottom w0.6: 82.7,53.82 R137.1 ; 82.7,53.82 U104.4 ; 82.7,53.82 R135.2
Net-(R137-Pad2): length 8
  Bottom w0.6: R137.2 85.39,31.45 RV104.3
